# Allegro board H616_REF_DDR4_16X4_V2_0_20200729.brd (continued)
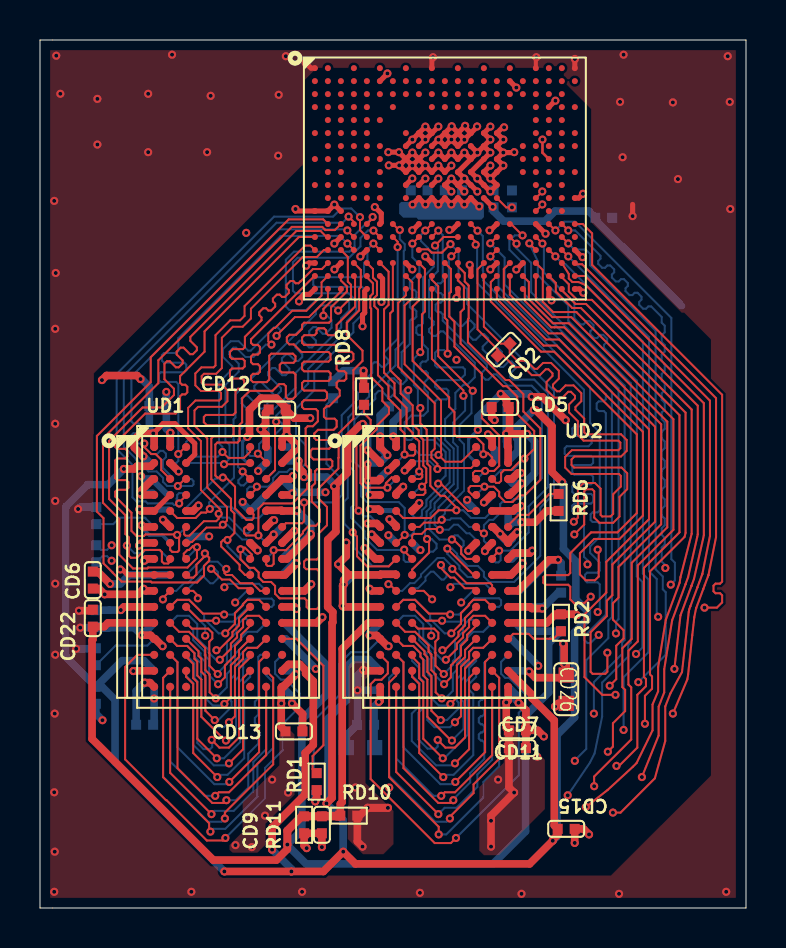
[diagram p0: board, top side]
## Routing (per net, layer and track width the routed paths; a pad name or vN(x,y) marks a point on that pad's centre or on a via; arc(x,y) is an arc through that point) (continued)
VCC-DRAM: length 584.5
  TOP w0.254: v1(21.96,35.1) 21.55,35.52 U1.L13 v1(21.22,35.2) U1.L12 v1(20.57,35.2) U1.L11 v1(19.92,35.2) U1.L10 v1(19.27,35.2) U1.L9 18.95,35.51 v1(18.63,35.2) ; UD1.B3 7.74,22.7 7.74,23.25 6.75,24.24 6.15,24.24 v1(5.66,23.75) ; UD1.J2 UD1.J1 5.7,16.68 4.38,16.68 4.11,16.94 v1(4.01,16.94)
  TOP w0.305: v1(16.41,21.39) 16.38,21.41 v1(16.38,22.2) ; UD2.A1 17.37,22.71 v1(17.37,22.66)
  TOP w0.381: v1(16.13,3.07) 15.87,3.33 RD10.2 15.99,4.62 v1(16.39,5.02) ; UD2.J2 17.78,16.7 17.04,16.7 UD2.J1 15.44,16.67 ; UD1.L1 4.2,15.07 v1(4.04,14.91) ; UD1.G1 5.08,18.27 v1(4.95,18.14) ; CD6.1 2.89,16.83 v1(3.51,16.22) ; CD13.1 12.06,9.05 v1(12.06,10.24) 12.06,11.03 UD1.T9 ; v1(16.49,20.67) UD2.D1 ; UD1.J8 UD1.J9 12.25,16.67 v1(12.83,17.25) ; UD2.J8 UD2.J9 23.55,16.67 v1(24.13,17.25) ; v1(12.62,20.75) 12.54,20.67 UD1.D9 ; CD12.1 12.29,25.04 11.82,25.51 11.06,25.51 10.48,24.93 10.48,23.69 v1(10.36,23.57) ; CD12.1 12.72,24.51 v1(13.51,24.51) ; CD12.1 12.29,24.59 12.33,24.55 v1(12.33,23.67) ; 23.41,18.32 v1(23.01,18.72) 22.66,19.07 UD2.F8 ; 23.41,18.32 23.41,18.35 v1(23.87,18.81) ; 23.41,18.32 UD2.G9 ; UD2.L1 15.18,15.07 v1(15.14,15.11) 15.14,16.14 v1(15.18,16.19) 15.18,16.41 15.44,16.67 ; 23.32,23.72 v1(23.32,23.73) 23.48,23.9 23.48,25.02 CD5.1 23.33,25.18 23.33,25.44 v1(23.04,25.73) ; 23.32,23.72 v1(24.36,23.72) ; 23.32,23.72 23.39,23.65 23.39,23.09 UD2.A9 UD2.B9 ; UD2.R1 16.2,11.87 v1(16.15,11.91) ; 15.44,16.67 v1(14.91,17.2) 15.32,17.61 v1(15.32,18.29) ; v1(24.59,25.58) 24.86,25.58 25.12,25.58 v1(26.29,24.41) ; UD1.B9 12.75,22.91 v1(12.75,23.11) 12.75,23.25 v1(12.33,23.67) ; UD2.L9 24.51,15.07 24.6,14.99 v1(25.12,14.99) ; UD1.G9 12.72,18.88 v1(12.73,18.88) ; UD2.F2 17.81,19.12 v1(17.48,19.46) ; v1(24.46,11.84) 24.77,11.52 26.18,11.52 CD26.1 26.31,12.12 v1(26.21,12.22) 26.21,13.18 v1(26.16,13.23) ; v1(11.71,19.41) 11.65,19.41 UD1.F8 ; v1(22.56,3.07) v1(22.56,4.37) 22.56,4.62 v1(23.71,5.78) 23.45,6.04 CD7.1 CD11.1 23.32,9.02 v1(23.32,10.29) 23.41,10.38 UD2.T9 ; UD2.D9 23.5,20.67 v1(24.07,21.25) ; UD2.B3 v1(18.24,21.89) ; v1(12.33,23.67) 12.11,23.45 UD1.A9 ; UD1.C1 5.64,21.47 5,20.83 v1(5,20.75) 5.09,20.67 UD1.D1 ; v1(3.1,26.42) 3.33,26.64 4.85,26.64 v1(5.03,26.47) ; UD1.R1 4.68,11.87 v1(4.67,11.86) ; UD2.G1 17.01,18.27 v1(16.59,18.69) ; v1(12.83,14.96) 12.72,15.07 UD1.L9 ; UD1.A1 5.71,23.7 v1(5.66,23.75) 5.02,23.75 4.72,23.45 4.72,23.04 5.15,22.6 v1(5.18,22.6) ; v1(16.41,21.39) 16.93,21.39 UD2.C1 ; UD1.F2 v1(6.15,19.43)
  TOP w0.4: UD2.A1 v1(17.01,23.6) ; v1(10.88,17.89) UD1.G7 ; UD2.G7 v1(21.42,17.88)
  TOP w0.406: v1(17.4,5.01) 16.45,5.01 ; v1(12.79,11.7) 12.16,11.07 UD1.T9
  GND02 w0.381: v1(23.32,10.29) 23.32,10.69 v1(24.46,11.84) ; v1(12.79,11.7) 12.7,11.61 12.7,11.13 12.06,10.49 v1(12.06,10.24) ; v1(23.87,18.81) 23.87,17.51 v1(24.13,17.25) 24.13,15.98 v1(25.12,14.99)
  POWER03 w0.102: 31.37,14.83 31.95,15.42 31.95,16.38 31.75,16.59 31.32,16.59 30.68,15.95 27.97,15.95 27.79,16.14 26.87,16.14 26.66,15.93 24.88,15.93 24.08,15.13 23.24,15.13 23.04,14.93 20.91,14.93 20.81,15.04 20.36,15.04 20.26,14.94 20.02,14.94 20.02,14.94 19.88,14.94 19.75,14.81 19.43,14.81 19.33,14.91 17.21,14.91 17.01,14.71 15.54,14.71 v1(15.14,15.11) 13.28,15.11 13.18,15.01 12.88,15.01 v1(12.83,14.96) 12.8,14.93 9.61,14.93 9.5,15.04 6.73,15.04 ; 8.64,10.85 8.64,10.96 8.53,11.07 8.53,11.86 ; 8.64,10.85 8.33,10.53 8.33,10.24 8.71,9.86 10.12,9.86 11.06,10.8 12.83,10.8 13.19,10.44 14.95,10.44 15.36,10.03 15.48,10.03 15.76,9.75 17.35,9.75 17.45,9.86 21.42,9.86 22.51,10.95 25.57,10.95 25.78,11.15 25.95,11.15 28.01,11.15 28.34,11.48 28.91,11.48 29.29,11.1 29.29,10.67 28.9,10.29 27.15,10.29 26.74,9.88 26.06,9.88 25.9,9.73 24.6,9.73 24.58,9.71 22.28,9.71 21.51,8.94 20.37,8.94 20.27,8.85 15.66,8.85 15.18,9.32 15.06,9.32 14.73,9.65 10.92,9.65 10.21,8.94 8.61,8.94 8.23,8.56 8.23,8.14 8.51,7.85 ; 8.64,10.85 10.07,10.85 11.01,11.79 12.57,11.79 12.7,11.66 12.75,11.66 v1(12.79,11.7) 12.83,11.66 13.03,11.66 13.46,11.23 15.29,11.23 15.62,10.9 v1(15.88,10.9) 18.54,10.9 18.59,10.85 21.37,10.85 22.31,11.79 24.41,11.79 v1(24.46,11.84) 24.54,11.76 25.3,11.76 25.76,12.22 v1(26.21,12.22) 31.44,12.22 31.57,12.34 ; 8.59,6.91 8.38,7.11 8.38,7.72 8.51,7.85 ; 8.59,6.91 8.59,6.78 8.51,6.7 8.51,6.08 8.62,5.97 ; 8.59,6.91 9.01,6.91 9.04,6.88 9.6,6.88 9.7,6.99 10.32,6.99 10.84,7.51 14.64,7.51 15.24,6.91 20.31,6.91 20.34,6.88 21.52,6.88 22.14,7.51 24.8,7.51 v1(24.87,7.57) 24.96,7.57 25.11,7.72 26.3,7.72 26.74,8.16 26.99,8.16 27.1,8.28 28.88,8.28 29.69,7.47 ; 30.05,18.34 28.88,19.51 27.06,19.51 26.85,19.71 26.54,19.71 26.39,19.56 25.11,19.56 24.19,18.64 24.03,18.64 v1(23.87,18.81) 23.87,18.28 23.08,17.5 21.62,17.5 21.42,17.7 ; 30.05,18.34 26.44,18.34 26.39,18.39 25.41,18.39 25.02,18 25.02,17.66 24.77,17.41 24.29,17.41 v1(24.13,17.25) 23.5,16.61 20.29,16.61 20.09,16.41 19.65,16.41 19.64,16.42 19.63,16.42 19.48,16.56 16.06,16.56 15.42,17.2 v1(14.91,17.2) 14.87,17.25 v1(12.83,17.25) 12.17,16.59 10.7,16.59 10.68,16.61 8.99,16.61 8.79,16.41 8.32,16.41 8.32,16.41 6.42,16.41 ; 30.05,18.34 30.71,17.68 ; 8.53,5.16 8.67,5.16 8.79,5.04 10.45,5.04 10.9,5.49 12.12,5.49 v1(12.41,5.78) 14.29,5.78 15.05,5.02 v1(16.39,5.02) 17.39,5.02 v1(17.4,5.01) 19.72,5.01 19.77,5.05 20.07,5.05 20.09,5.04 21.75,5.04 22.2,5.49 23.42,5.49 v1(23.71,5.78) 23.86,5.93 25.64,5.93 25.98,6.27 27.36,6.27 27.64,6.55 28.3,6.55 28.5,6.35 ; 8.53,5.16 8.2,4.83 8.2,4.24 ; 8.53,5.16 8.33,5.35 8.33,5.68 8.62,5.97 ; 28.58,5.53 28.5,5.61 28.5,6.35 ; 28.58,5.53 29.01,5.11 29.01,4.47 28.78,4.24 24.94,4.24 23.5,2.79 22.83,2.79 v1(22.56,3.07) ; 28.58,5.53 27.23,5.53 26.92,5.22 24.61,5.22 23.92,4.53 23.69,4.47 22.66,4.47 v1(22.56,4.37) 22.31,4.12 12.53,4.12 12.52,4.11 12.22,4.11 12.21,4.12 11.75,4.12 v1(11.25,4.62) 10.73,4.1 9.02,4.1 8.88,4.24 8.2,4.24 ; 10.88,17.69 10.88,17.67 10.74,17.53 9.7,17.53 9.58,17.65 8.99,17.65 8.94,17.7 8.57,17.33 8.41,17.33 8.22,17.14 6.72,17.14 6.57,17.29 5.8,17.29 v1(4.95,18.14) 4.58,18.51 3.44,18.51 3,18.07 3,17.25 3.35,16.89 3.96,16.89 v1(4.01,16.94) 4.46,16.49 5.57,16.49 5.64,16.56 6.27,16.56 6.42,16.41 ; 10.88,17.69 11.02,17.55 11.83,17.55 12.4,18.12 15.57,18.12 16.1,17.58 18.69,17.58 v1(19.02,17.91) 19.02,17.65 19.23,17.45 19.74,17.45 19.89,17.6 21.32,17.6 21.42,17.7 ; 10.88,17.69 v1(10.88,17.89) ; 30.68,13.23 29.66,14.25 27.73,14.25 27.58,14.1 25.61,14.1 25.2,13.69 23.91,13.69 23.48,13.26 20.88,13.26 20.8,13.18 20.34,13.18 20.27,13.26 18.09,13.26 17.58,12.74 17.28,12.74 17.25,12.78 16.13,12.78 15.62,13.28 13.67,13.28 13.57,13.39 9.7,13.39 9.5,13.18 9.04,13.18 8.96,13.26 8.67,13.26 ; 30.68,13.23 28.09,13.23 27.96,13.11 26.29,13.11 v1(26.16,13.23) 25.75,13.23 25.49,12.98 24.2,12.98 23.75,12.52 21.16,12.52 20.71,12.06 18.08,12.06 17.92,11.91 v1(16.15,11.91) 15.91,11.91 15.3,12.52 13.43,12.52 13.28,12.67 12.54,12.67 12.39,12.52 9.86,12.52 9.4,12.06 8.74,12.06 8.53,11.86 ; 30.68,13.23 31.57,12.34 ; 30.68,13.23 31.34,13.9 31.34,14.76 30.89,15.21 27.08,15.21 26.14,15.21 25.73,14.81 25.3,14.81 v1(25.12,14.99) 25.12,14.94 24.84,14.66 24.84,14.52 24.74,14.42 23.63,14.42 23.31,14.1 20.42,14.1 20.34,14.02 19.96,14.02 19.8,14.19 17.5,14.19 17.41,14.1 14.53,14.1 14.43,14 13.89,14 13.79,14.1 9.03,14.1 8.95,14.02 7.75,14.02 ; 8.67,13.26 8.47,13.05 8.47,12.75 8.53,12.68 8.53,11.86 ; 8.67,13.26 7.62,13.26 7.49,13.38 7.49,13.76 7.75,14.02 ; 8.2,4.24 8.07,4.1 8.07,3.31 8.23,3.15 v1(9.77,3.15) ; 6.73,15.04 6.68,15.09 6.29,15.09 ; 6.73,15.04 7.75,14.02 ; 31.57,12.34 31.93,12.34 32.05,12.22 32.05,12.17 32.11,12.12 33.68,13.7 33.68,15.32 32.82,16.18 32.82,17.25 32.38,17.68 30.71,17.68 ; 6.29,15.09 5.84,15.09 5.61,15.32 5.61,15.61 6.42,16.41 ; 6.29,15.09 7.06,15.85 8.04,15.85 8.2,15.7 9.38,15.7 9.53,15.85 14.65,15.85 15.02,16.22 15.15,16.22 v1(15.18,16.19) 15.31,16.06 15.61,16.06 15.95,15.72 15.95,15.72 16.25,15.42 16.72,15.42 16.92,15.62 18.82,15.62 19,15.81 19.39,15.81 19.39,15.8 19.76,15.8 19.87,15.7 20.68,15.7 20.83,15.85 23.9,15.85 23.9,15.85 23.91,15.85 24.7,16.64 26.3,16.64 26.52,16.87 27.21,16.87 27.23,16.84 27.53,16.84 27.68,16.99 30.02,16.99 30.71,17.68 ; 8.51,7.85 10.15,7.85 11.23,8.94 14.24,8.94 15.33,7.85 21.45,7.85 22.54,8.94 24.82,8.94 24.9,9.02 25.89,9.02 25.94,8.97 26.49,8.97 26.7,9.17 28.65,9.17 29.08,9.6 29.79,9.6 29.82,9.58 30.07,9.58 30.09,9.6 30.63,9.6 ; 8.62,5.97 8.91,5.97 8.93,5.95 10.19,5.95 10.58,6.35 10.72,6.35 ; 29.69,7.47 27.36,7.47 26.9,7.01 25.62,7.01 25.3,6.69 23.18,6.69 v1(22.91,6.43) 22.35,6.43 22.19,6.27 21.84,6.27 21.52,5.95 20.42,5.95 20.41,5.97 19.96,5.97 19.9,6.03 v1(17.46,6.03) 17.46,6.03 v1(15.77,6.03) 15.11,6.03 14.5,6.64 13.23,6.64 13.18,6.69 11.87,6.69 v1(11.61,6.43) 11.04,6.43 10.89,6.27 ; 29.69,7.47 30.58,6.57 30.58,6.27 30.45,6.15 29.26,6.15 29.06,6.35 28.5,6.35 ; v1(21.42,17.88) 21.42,17.7
  POWER03 w0.305: v1(16.41,21.39) 16.41,20.75 v1(16.49,20.67) ; v1(8.46,18.59) 8.46,18.19 8.94,17.7
  POWER03 w0.381: 16.81,18.21 16.81,18.47 v1(16.59,18.69) 16.64,18.75 16.76,18.75 v1(17.48,19.46) 17.01,19.92 17.01,20.17 16.52,20.67 v1(16.49,20.67) ; v1(12.73,18.88) 12.73,19.04 12.36,19.41 v1(11.71,19.41) ; v1(21.89,23.93) 21.89,24.59 v1(23.04,25.73) ; v1(17.37,22.66) 18.14,21.89 v1(18.24,21.89) ; 3.2,20.4 4.5,20.4 4.85,20.75 v1(5,20.75)
  BOTTOM w0.152: v1(21.89,23.93) 21.43,23.46 21.43,22.65 UD4.B3 ; UD3.B3 10.37,22.27 10.13,22.51 10.13,23.34 v1(10.36,23.57)
  BOTTOM w0.305: v1(16.38,22.2) 16.38,21.41 v1(16.41,21.39) 16.41,20.75 v1(16.49,20.67) ; v1(12.33,23.67) 12.11,23.45 UD1.A9
  BOTTOM w0.381: v1(15.88,10.9) 15.88,9.19 CD10.1 15.32,8.63 CD25.1 ; v1(15.88,10.9) 15.88,11.63 v1(16.15,11.91) ; v1(15.88,10.9) 16.83,10.9 17,11.07 UD4.T9 ; v1(8.46,18.59) 7.63,18.59 UD3.G7 ; v1(24.07,21.25) 24.23,21.25 24.73,21.74 24.73,23.36 v1(24.36,23.72) ; v1(24.07,21.25) 23.64,20.82 23.57,20.82 23.42,20.67 UD2.D9 ; v1(24.07,21.25) 23.63,21.25 UD4.C1 ; v1(26.16,13.23) 26.16,12.27 v1(26.21,12.22) ; v1(23.87,18.81) 23.82,18.76 23.81,18.76 23.61,18.56 23.61,18.47 UD2.G9 23.01,18.67 v1(23.01,18.72) 22.66,19.07 UD2.F8 ; UD3.C1 12.11,21.46 12.62,20.94 v1(12.62,20.75) ; v1(16.38,22.2) 16.45,22.27 UD4.B9 17.01,22.29 v1(17.37,22.66) 17.01,23.02 UD2.A1 v1(17.01,23.6) 17.01,24.65 CD3.1 ; v1(16.59,18.69) 17.01,18.27 UD2.G1 ; UD4.G7 18.97,17.91 v1(19.02,17.91) ; v1(12.75,23.11) 12.71,23.07 UD1.A9 ; UD1.F2 v1(6.15,19.43) ; UD2.L9 25.04,15.07 v1(25.12,14.99) 25.91,15.78 CD24.1 ; v1(24.46,11.84) 24.43,11.87 UD4.R1 ; UD1.J2 UD1.J1 4.47,16.67 4.02,16.22 v1(3.51,16.22) ; v1(12.73,18.88) 12.12,18.27 UD1.G9 ; UD1.J8 UD1.J9 12.69,17.25 v1(12.83,17.25) ; v1(21.89,23.93) 21.89,24.56 23.04,25.7 v1(23.04,25.73) ; UD1.D1 5.63,20.75 v1(5,20.75) ; v1(24.59,25.58) 24.44,25.73 v1(23.04,25.73) ; UD2.A9 23.34,23.14 23.34,23.32 23.33,23.34 23.33,23.72 v1(23.32,23.73) 23.32,25.45 v1(23.04,25.73) ; UD3.T9 v1(5.71,10.48) 5.71,9.31 5.66,9.25 CD8.1 ; CD4.1 3.46,14.9 3.47,14.91 v1(4.04,14.91) 4.2,15.07 UD1.L1 ; UD2.L1 15.18,15.07 v1(15.14,15.11) 15.14,16.14 v1(15.18,16.19) 15.67,16.67 UD2.J1 17.04,16.7 17.78,16.7 UD2.J2 ; v1(24.13,17.25) 23.55,16.67 UD2.J9 UD2.J8 ; UD1.F8 11.65,19.41 v1(11.71,19.41) ; UD2.F2 17.81,19.12 v1(17.48,19.46) ; v1(4.95,18.14) 5.09,18.28 5.7,18.28 UD1.G1 ; v1(5.18,22.6) 5.51,22.27 UD3.B9 ; v1(5.03,26.47) 5.09,26.47 5.47,26.09 CD1.1 5.47,23.95 v1(5.66,23.75) 5.71,23.7 UD1.A1 ; v1(12.83,14.96) 12.72,15.07 UD1.L9 ; v1(14.27,20.8) 12.67,20.8 v1(12.62,20.75) ; v1(12.79,11.7) 12.62,11.87 UD3.R1 ; v1(12.62,20.75) 12.54,20.67 UD1.D9 ; UD2.D1 v1(16.49,20.67)
  vias: v1(10.59,3.05)
VDD18-DRAM: length 12.7
  TOP w0.254: U1.L14 v1(22.64,35.08)
  BOTTOM w0.381: 32.08,30.13 27.77,34.44 CD20.1 27.44,34.87 25.76,34.87 25.25,34.37 23.18,34.37 22.68,34.87 CD21.1
VDD-CPU: length 8.5
  TOP w0.254: v1(18.62,37.15) U1.J8 v1(17.96,37.16) ; v1(18.62,37.15) U1.H9 ; v1(18.62,37.15) U1.H8 ; v1(18.62,37.15) U1.J9 v1(19.27,37.15) ; v1(20.57,37.15) U1.J11 v1(19.92,37.15) U1.J10 v1(19.27,37.15) ; v1(19.27,37.15) U1.H9 ; U1.H9 v1(19.27,37.8) ; U1.H9 v1(18.62,37.8) U1.H8 ; v1(17.42,37.82) v1(17.95,37.82) U1.H8 ; U1.H8 17.98,37.16 v1(17.96,37.16) ; v1(17.96,37.16) v1(17.44,37.16)
VDD-GPU: length 3.7
  TOP w0.254: U1.F10 v1(19.27,39.1) U1.F9 ; U1.F10 v1(19.27,38.45) ; U1.F10 v1(19.92,39.1) ; U1.F9 v1(18.62,38.45) U1.G8 ; U1.F9 v1(19.27,38.45) ; v1(19.27,38.45) U1.G9
VDD-SYS: length 7
  TOP w0.254: 21.22,38.45 v1(21.22,38.44) 21.21,38.44 U1.G12 20.57,38.45 v1(20.57,38.45) ; 21.22,38.45 U1.F12 ; 21.22,38.45 U1.F13 ; U1.F11 v1(20.59,39.12) 20.9,38.81 U1.F12 ; U1.F11 20.25,38.77 v1(19.92,38.45) ; U1.F11 20.25,38.78 v1(20.57,38.45) ; v1(20.57,38.45) U1.F12 ; v1(20.57,38.45) U1.G11 20.24,38.13 v1(19.92,38.45) ; U1.F12 v1(21.26,39.14) 21.26,39.06 U1.F13 ; U1.G10 19.9,38.43 19.91,38.43 v1(19.92,38.45) ; U1.F13 21.86,39.09 v1(21.86,39.11)
Net_118: length 0.5
  TOP w0.102: 24.8,34.88 25.11,35.19 25.11,35.2 v1(25.12,35.2)
Net_155: length 0.5
  TOP w0.102: v1(25.12,35.85) 25.11,35.85 25.11,35.84 24.8,35.53
SA0: length 72.9
  TOP w0.102: UD1.P3 7.31,12.57 7.66,12.22 7.66,11.5 7.86,11.3 7.86,8.47 v1(8.84,7.49) ; U1.U19 25.79,31.28 25.79,30.85 26.62,30.02 27.05,30.02 32.28,24.79 32.28,18.77 32.23,18.57 30.51,16.84 30.51,11.69 30.61,11.59 30.61,10.97 30.25,10.62 v1(30.25,9.22) ; v1(20.14,7.49) 19.17,8.47 19.17,11.3 18.96,11.5 18.96,12.22 18.61,12.57 UD2.P3
  POWER03 w0.102: v1(8.84,7.49) 8.94,7.59 10.18,7.59 10.75,8.17 14.7,8.17 15.37,7.49 v1(20.14,7.49) 20.24,7.59 21.48,7.59 22.11,8.23 26.04,8.23 26.65,8.84 28.61,8.84 29.04,9.27 30.2,9.27 v1(30.25,9.22)
  BOTTOM w0.102: UD4.P3 21.81,12.37 21.46,12.01 21.46,11.5 21.25,11.3 21.25,10.53 21.39,10.4 21.39,8.67 20.21,7.49 v1(20.14,7.49) ; v1(8.84,7.49) 9.2,7.49 10.01,8.3 10.01,10.48 9.95,10.53 9.95,11.3 10.16,11.5 10.16,12.01 10.16,12.02 10.16,12.32 UD3.P3
SA1: length 71.6
  TOP w0.102: v1(8.59,8.41) 8.97,8.03 9.44,8.03 9.95,8.53 9.95,11.98 10.51,12.54 UD1.P7 ; v1(19.89,8.41) 20.27,8.03 20.75,8.03 21.25,8.53 21.25,11.98 21.81,12.54 UD2.P7 ; U1.P16 v1(23.83,33.24)
  POWER03 w0.102: v1(8.59,8.41) 8.82,8.41 9.15,8.74 10.3,8.74 11.01,9.45 14.65,9.45 15.69,8.41 v1(19.89,8.41) 20.13,8.41 20.45,8.74 21.6,8.74 22.36,9.5 24.67,9.5 24.69,9.53 26.27,9.53 26.39,9.65 27.62,9.65 v1(27.7,9.73)
  BOTTOM w0.102: v1(23.83,33.24) 23.83,33.01 24.56,32.28 24.56,30.81 29.24,26.14 29.24,13.41 29.11,13.28 29.11,12.71 27.7,11.3 v1(27.7,9.73) ; UD4.P7 18.61,12.37 18.96,12.01 18.96,11.55 19.17,11.34 19.17,10.02 18.92,9.77 18.92,8.43 19.38,7.98 19.79,7.98 19.89,8.08 v1(19.89,8.41) ; UD3.P7 7.72,12.26 7.72,11.49 7.87,11.34 7.87,8.26 8.18,7.95 8.51,7.95 8.61,8.05 8.61,8.39 v1(8.59,8.41)
SA2: length 73.8
  TOP w0.102: v1(28.4,7.82) 28.65,8.08 28.65,9.25 29.26,9.86 29.26,10.92 29.12,11.06 29.12,13 29.59,13.47 29.59,17.27 31.37,19.05 31.37,24.33 26.44,29.26 25.65,29.26 24.45,30.46 24.45,31.32 U1.U17 ; v1(8.87,6.55) 7.66,7.76 7.66,11.21 7.31,11.57 UD1.R3 ; v1(20.17,6.55) 18.96,7.76 18.96,11.21 18.61,11.57 UD2.R3
  POWER03 w0.102: v1(28.4,7.82) 26.69,7.82 26.38,7.52 25.41,7.52 25.09,7.2 22.13,7.2 21.61,6.68 20.29,6.68 v1(20.17,6.55) 19.07,6.55 18.91,6.71 15.15,6.71 14.71,7.15 10.77,7.15 10.3,6.68 8.99,6.68 v1(8.87,6.55)
  BOTTOM w0.102: v1(8.87,6.55) 8.98,6.67 9.38,6.67 10.21,7.5 10.21,10.87 10.16,10.92 10.16,11.21 10.51,11.57 UD3.R3 ; UD4.R3 21.81,11.57 21.46,11.21 21.46,10.92 21.67,10.71 21.67,7.65 20.68,6.67 20.28,6.67 v1(20.17,6.55)
SA3: length 64.2
  TOP w0.102: v1(20.52,10.21) 20.85,10.54 20.85,12.15 21.25,12.56 21.25,12.91 UD2.N7 ; U1.P20 v1(26.42,33.25) ; UD1.N7 9.95,12.91 9.95,12.56 9.55,12.15 9.55,10.54 v1(9.22,10.21)
  POWER03 w0.102: v1(9.22,10.21) 10.19,10.21 10.98,11 12.92,11 13.27,10.64 15.15,10.64 15.84,9.96 17.27,9.96 17.44,10.13 20.45,10.13 v1(20.52,10.21) 21.49,10.21 22.43,11.15 25.49,11.15 25.85,11.51 28.08,11.51 28.26,11.68 29.54,11.68 v1(29.92,11.3)
  BOTTOM w0.102: v1(26.42,33.25) 26.72,32.95 27.29,32.95 27.51,32.72 27.51,32.16 30.79,28.89 30.79,16.95 31.14,16.59 31.14,15.95 31.29,15.8 31.29,12.67 v1(29.92,11.3) ; UD4.N7 19.33,12.75 19.33,12.56 19.43,12.46 19.43,11.66 19.58,11.51 19.58,10.5 19.94,10.13 20.45,10.13 v1(20.52,10.21) ; UD3.N7 8.03,12.75 8.03,12.56 8.25,12.33 8.25,11.53 8.27,11.51 8.27,10.5 8.64,10.13 9.15,10.13 v1(9.22,10.21)
SA4: length 65.3
  TOP w0.102: UD1.N3 7.93,12.85 7.93,12.61 8.07,12.47 8.07,11.82 8.27,11.62 8.27,9.87 v1(8.74,9.4) ; U1.V17 24.25,30.88 24.25,30.37 25.56,29.06 25.73,29.06 26.21,29.06 31.06,24.21 31.06,19.2 28.93,17.07 28.93,15.53 28.65,15.25 28.65,14.43 29.18,13.9 29.18,13.49 28.82,13.12 28.82,11.45 v1(28.49,11.13) ; v1(20.04,9.4) 19.57,9.87 19.57,11.62 19.37,11.82 19.37,12.56 19.23,12.7 19.23,12.85 UD2.N3
  POWER03 w0.102: v1(8.74,9.4) 8.99,9.65 10.2,9.65 11.14,10.59 12.75,10.59 13.11,10.24 14.87,10.24 15.7,9.4 v1(20.04,9.4) 20.29,9.65 21.51,9.65 22.6,10.74 25.66,10.74 25.86,10.95 28.31,10.95 v1(28.49,11.13)
  BOTTOM w0.102: v1(20.04,9.4) 20.35,9.4 20.93,9.98 20.93,10.28 20.85,10.36 20.85,11.47 21.05,11.67 21.05,12.18 21.25,12.39 21.25,12.91 UD4.N3 ; UD3.N3 9.76,12.72 9.76,12.19 9.75,12.18 9.75,11.67 9.55,11.47 9.55,10.36 9.58,10.33 9.58,10.06 8.92,9.4 v1(8.74,9.4)
SA5: length 78.5
  TOP w0.102: UD1.P8 10.96,12.32 10.96,7.8 v1(9.47,6.31) ; v1(20.77,6.31) 22.26,7.8 22.26,12.32 UD2.P8 ; v1(22.52,33.26) 22.83,33.58 U1.P15
  POWER03 w0.102: v1(9.47,6.31) 10.26,6.31 10.84,6.9 14.53,6.9 15.03,6.4 18.79,6.4 18.92,6.27 19.94,6.27 20.02,6.2 20.66,6.2 v1(20.77,6.31) 21.56,6.31 22.14,6.9 25.22,6.9 25.54,7.21 26.59,7.21 v1(26.75,7.37)
  BOTTOM w0.102: UD4.P8 18.18,12.3 18.18,8.04 20.02,6.2 20.66,6.2 v1(20.77,6.31) ; v1(9.47,6.31) 9.36,6.2 8.72,6.2 6.88,8.04 6.88,12.3 UD3.P8 ; v1(26.75,7.37) 26.75,7.39 27.32,7.96 27.32,12.4 28.42,13.51 28.42,14.38 28.6,14.55 28.6,25.83 23.23,31.2 23.23,32.54 v1(22.52,33.26)
SA6: length 86.9
  TOP w0.102: v1(9.32,5.4) 9.18,5.26 8.62,5.26 6.88,7 6.88,12.3 UD1.P2 ; v1(20.67,5.4) 20.53,5.26 19.92,5.26 18.18,7 18.18,12.3 UD2.P2 ; U1.U20 26.1,31.56 26.44,31.21 26.44,30.85 26.87,30.43 27.6,30.43 32.89,25.13 32.89,18.7 32.87,18.56 32.41,16.55 32.28,16.21 32.28,16.2 31.61,14.39 31.22,11.95 31.22,10.79 30.94,10.08 30.94,8.64 v1(30.1,6.55)
  POWER03 w0.102: v1(30.1,6.55) 29.34,6.55 29.14,6.76 27.55,6.76 27.29,6.49 25.82,6.49 25.46,6.13 23.55,6.13 23.18,5.77 22.07,5.77 21.7,5.4 v1(20.67,5.4) 20.62,5.4 20.49,5.26 19.92,5.26 19.81,5.37 16.49,5.37 16.48,5.37 15.05,5.37 14.29,6.13 12.25,6.13 11.88,5.77 10.77,5.77 10.4,5.4 v1(9.32,5.4)
  BOTTOM w0.102: UD3.P2 11.02,12.67 10.91,12.57 10.91,10.49 10.74,10.32 10.74,10.09 10.91,9.92 10.91,9.68 10.74,9.51 10.74,9.28 10.91,9.11 10.91,8.22 10.42,7.72 10.42,6.02 9.79,5.4 v1(9.32,5.4) ; UD4.P2 22.22,12.27 22.22,10.51 22.11,10.41 22.05,10.41 21.95,10.31 21.95,10.11 22.05,10.01 22.11,10.01 22.22,9.9 22.22,9.7 22.11,9.6 22.05,9.6 21.95,9.5 21.95,9.3 22.05,9.19 22.11,9.19 22.22,9.09 22.22,8.89 22.11,8.79 22.05,8.79 21.95,8.69 21.95,8.48 22.05,8.38 22.11,8.38 22.22,8.28 22.22,7.46 21.51,6.76 21.51,6.28 20.67,5.44 v1(20.67,5.4)
SA7: length 85.3
  TOP w0.102: UD2.R8 22.96,11.52 22.96,10.44 22.96,10.43 22.96,7.47 21.68,6.19 21.68,5.75 20.5,4.57 v1(20.5,4.48) ; v1(9.25,4.48) 9.25,4.78 11.66,7.19 11.66,11.52 UD1.R8 ; v1(24.47,33.26) 24.8,32.93 U1.R18
  POWER03 w0.102: v1(26.39,5.64) 26.18,5.42 24.52,5.42 24.08,4.98 22.78,4.98 21.8,4.48 v1(20.5,4.48) 20.36,4.34 13.8,4.34 13.16,4.98 11.11,4.98 10.61,4.48 v1(9.25,4.48)
  BOTTOM w0.102: v1(9.25,4.48) 9.08,4.32 8.41,4.32 6.16,6.57 6.16,11.52 UD3.R8 ; v1(20.5,4.48) 20.33,4.32 19.76,4.32 17.46,6.62 17.46,11.52 UD4.R8 ; v1(24.47,33.26) 24.89,32.36 24.89,31.67 26.42,30.15 26.42,29.39 29.54,26.26 29.54,13.28 29.41,13.16 29.41,12.59 28.11,11.28 28.11,9.58 27.73,7.74 27.5,7.28 v1(26.39,5.64)
SA8: length 88
  TOP w0.102: v1(8.52,3.82) 8.46,3.89 8.46,4.24 6.16,6.55 6.16,11.52 UD1.R2 ; UD2.R2 17.81,11.63 17.46,11.28 17.46,6.55 19.94,4.07 v1(19.94,3.68) ; U1.V20 26.1,30.91 26.78,30.23 27.3,30.23 32.59,24.94 32.59,18.73 32.03,16.55 31.98,16.27 31.29,14.41 30.91,12.06 30.91,10.85 30.63,10.19 30.63,8.89 29.83,7.25 29.65,7.07 28.39,5.91 v1(27.3,5.05)
  POWER03 w0.102: v1(8.52,3.82) 8.56,3.86 19.76,3.86 v1(19.94,3.68) 20.12,3.86 22.2,3.86 24.16,4.39 24.79,5.02 27.26,5.02 v1(27.3,5.05)
  BOTTOM w0.102: v1(8.52,3.82) 8.66,3.96 9.27,3.96 10.87,5.57 10.87,7.22 11.66,8.01 11.66,11.3 11.31,11.65 UD3.R2 ; UD4.R2 22.96,11.52 22.96,10.44 22.96,10.43 22.96,7.09 22.17,6.31 22.17,5.54 20.31,3.68 v1(19.94,3.68)
SA9: length 70.5
  TOP w0.102: UD2.R7 21.46,11.52 21.46,7.95 v1(20.75,7.24) ; UD1.R7 10.16,11.52 10.16,7.95 v1(9.45,7.24) ; U1.R19 25.45,32.93 v1(25.77,32.6)
  POWER03 w0.102: v1(9.45,7.24) 10.25,7.24 10.87,7.86 14.57,7.86 15.3,7.14 20.65,7.14 v1(20.75,7.24) 21.55,7.24 22.24,7.93 26.21,7.93 26.82,8.53 28.81,8.53 v1(29.18,8.91)
  BOTTOM w0.102: v1(29.18,8.91) 29.18,11.55 30.43,12.8 30.43,16.44 30.15,16.72 30.15,17.98 30.15,28.34 26.27,32.22 26.16,32.22 v1(25.77,32.6) ; UD3.R7 7.31,11.62 7.66,11.26 7.66,8.17 8.69,7.14 9.35,7.14 v1(9.45,7.24) ; v1(20.75,7.24) 20.65,7.14 19.81,7.14 18.59,8.36 18.59,9.73 18.97,10.1 18.97,11.26 18.61,11.62 UD4.R7
SA10: length 62.1
  TOP w0.102: U1.U16 23.5,30.69 25.44,28.75 25.86,28.75 26.09,28.75 30.76,24.08 30.76,19.33 28.63,17.2 28.63,15.66 28.35,15.38 28.35,14.61 27.53,13.8 27.53,11.82 27.64,11.72 28.27,11.72 28.37,11.82 v1(28.37,12.78) ; UD1.M3 7.6,13.98 8.41,13.98 8.62,13.77 8.62,13.48 8.47,13.33 8.47,12.75 8.47,12.74 8.47,12.13 v1(8.89,11.71) ; UD2.M3 18.9,13.98 19.71,13.98 19.92,13.77 19.92,13.48 19.77,13.33 19.77,12.78 19.78,12.77 19.78,12.13 v1(20.19,11.71)
  POWER03 w0.102: v1(28.37,12.78) 28.27,12.88 25.68,12.88 25.58,12.78 24.29,12.78 23.83,12.32 21.95,12.32 21.34,11.71 v1(20.19,11.71) 20.07,11.71 19.91,11.56 15.62,11.56 15.37,11.81 14.58,11.81 14.07,12.32 13.34,12.32 13.22,12.45 12.63,12.45 12.5,12.32 10.64,12.32 10.03,11.71 v1(8.89,11.71)
  BOTTOM w0.102: v1(8.89,11.71) 8.89,11.76 9.34,12.21 9.34,12.35 9.35,12.36 9.35,13.32 9.83,13.8 9.83,14.12 10.17,14.46 10.31,14.46 UD3.M3 ; UD4.M3 21.66,14.42 21.46,14.42 21.16,14.12 21.16,13.83 20.75,13.42 20.75,12.46 20.65,12.35 20.65,12.16 v1(20.19,11.71)
SA11: length 81.2
  TOP w0.102: v1(19.92,4.7) 17.81,6.81 UD2.T2 ; UD1.T2 6.51,6.76 v1(8.57,4.7) ; U1.U18 24.8,30.4 25.63,29.57 26.57,29.57 31.67,24.46 31.67,18.92 29.9,17.15 29.9,13.34 29.43,12.87 29.43,11.18 29.57,11.04 29.57,8.43 27.71,6.58 v1(27.71,6.1)
  POWER03 w0.102: v1(8.57,4.7) 8.71,4.84 10.53,4.84 10.98,5.28 13.29,5.28 13.92,4.66 19.88,4.66 v1(19.92,4.7) 20.06,4.84 21.95,4.84 22.63,5.18 23.85,5.18 24.4,5.73 25.73,5.73 26.03,6.03 27.65,6.03 v1(27.71,6.1)
  BOTTOM w0.102: UD4.T2 22.61,7.42 21.87,6.68 21.87,6.06 20.83,5.01 20.24,5.01 v1(19.92,4.7) ; UD3.T2 11.31,7.95 10.67,7.31 10.67,5.84 9.69,4.86 8.74,4.86 v1(8.57,4.7)
SA12: length 61.8
  TOP w0.102: v1(25.13,33.25) 25.12,33.25 U1.P18 ; v1(20.21,11.2) 20.55,11.54 20.55,12.14 21.05,12.64 21.05,13.12 21.36,13.43 21.36,13.67 21.81,14.12 UD2.M7 ; UD1.M7 10.51,14.12 10.06,13.67 10.06,13.43 9.75,13.12 9.75,12.64 9.25,12.14 9.25,11.54 v1(8.91,11.2)
  POWER03 w0.102: v1(29.81,12.71) 28.99,12.71 28.7,12.42 28.22,12.42 28.07,12.57 24.56,12.57 24,12.01 22.07,12.01 21.26,11.2 v1(20.21,11.2) 20.09,11.2 20.04,11.25 15.64,11.25 15.28,11.61 13.58,11.61 13.05,12.14 12.67,12.14 12.55,12.01 10.77,12.01 9.96,11.2 v1(8.91,11.2)
  BOTTOM w0.102: UD4.M7 18.96,13.92 18.96,13.4 19.53,12.83 19.53,12.65 19.71,12.47 19.71,11.69 20.2,11.2 v1(20.21,11.2) ; v1(8.91,11.2) 8.9,11.2 8.46,11.64 8.46,12.42 8.23,12.65 8.23,12.83 7.66,13.4 7.66,13.92 UD3.M7 ; v1(29.81,12.71) 30.12,13.03 30.12,16.32 29.84,16.6 29.84,26.39 28.2,28.03 28.2,28.18 28.36,28.34 28.36,28.48 28.16,28.68 28.02,28.68 27.86,28.52 27.72,28.52 27.52,28.72 27.52,28.86 27.68,29.02 27.68,29.17 27.48,29.36 27.34,29.36 27.18,29.2 27.03,29.2 26.72,29.51 26.72,30.28 25.2,31.8 25.2,33.17 v1(25.13,33.25)
SA13: length 78.6
  TOP w0.102: v1(20.07,5.61) 20.24,5.79 20.75,5.79 22.61,7.65 UD2.T8 ; U1.T18 25.14,31.93 25.14,30.34 25.66,29.82 26.82,29.82 31.98,24.66 31.98,18.81 31.97,18.79 30.2,17.02 30.2,11.56 30.3,11.46 30.3,11.1 29.87,10.67 29.87,8.03 28.96,7.11 v1(28.83,7.11) ; UD1.T8 11.31,7.65 9.45,5.79 8.94,5.79 v1(8.76,5.61)
  POWER03 w0.102: v1(28.83,7.11) 27.62,7.11 27.3,6.8 25.69,6.8 25.34,6.44 23.43,6.44 23.06,6.07 21.92,6.07 21.6,5.75 20.2,5.75 v1(20.07,5.61) 20.01,5.67 17.32,5.67 17.31,5.68 15.17,5.68 14.41,6.44 12.12,6.44 11.76,6.07 10.62,6.07 10.3,5.75 8.9,5.75 v1(8.76,5.61)
  BOTTOM w0.102: UD4.T8 17.81,7.49 19.68,5.61 v1(20.07,5.61) ; UD3.T8 6.51,7.33 8.23,5.61 v1(8.76,5.61)
SACT: length 52.6
  TOP w0.102: UD1.L3 8,14.38 v1(8.8,14.38) ; U1.U15 22.54,31.32 22.54,30.35 25.06,27.84 25.71,27.84 29.84,23.7 29.84,19.76 28.88,18.8 27.56,18.8 26.52,17.75 26.52,16.76 26.42,16.66 25.27,16.66 25.17,16.56 25.17,16.28 25.27,16.18 26.42,16.18 26.52,16.07 26.52,15.44 26.71,15.25 27.21,15.25 v1(27.54,15.58) ; v1(20.11,14.38) 19.3,14.38 UD2.L3
  POWER03 w0.102: v1(27.54,15.58) 27.38,15.42 25.07,15.42 24.94,15.42 24.25,14.72 24.2,14.72 24.1,14.62 23.55,14.62 23.25,14.33 20.15,14.33 v1(20.11,14.38) 20.1,14.39 17.41,14.39 17.33,14.3 14.45,14.3 14.35,14.2 13.98,14.2 13.87,14.3 8.88,14.3 v1(8.8,14.38)
  BOTTOM w0.102: UD4.L3 21.07,14.33 20.15,14.33 v1(20.11,14.38) ; v1(8.8,14.38) 8.85,14.33 9.68,14.33 10.42,15.07 UD3.L3
SBA0: length 75.7
  TOP w0.102: v1(9.3,8.38) 9.26,8.38 8.07,9.57 8.07,11.43 7.86,11.64 7.86,12.33 7.72,12.47 7.72,12.75 7.36,13.11 6.86,13.11 UD1.N2 ; U1.T21 26.81,32.21 27.11,32.21 33.81,25.51 33.81,18.56 33.43,16.67 33.41,16.6 33.4,16.6 33.24,16.17 33.17,15.97 33.17,15.96 32.82,15.02 32.81,14.98 32.72,14.55 32.62,13.65 32.41,11.68 32.37,11.44 v1(31.65,9.73) ; v1(20.6,8.38) 20.56,8.38 19.37,9.57 19.37,11.43 19.17,11.64 19.17,12.43 19.02,12.57 19.02,12.75 18.66,13.11 18.17,13.11 UD2.N2
  POWER03 w0.102: v1(9.3,8.38) 10.37,8.38 11.13,9.14 14.52,9.14 15.61,8.06 20.27,8.06 v1(20.6,8.38) 21.67,8.38 22.49,9.2 24.79,9.2 24.81,9.22 26.39,9.22 26.55,9.37 28.24,9.37 28.7,9.83 31.55,9.83 v1(31.65,9.73)
  BOTTOM w0.102: UD4.N2 22.16,13.02 21.66,13.02 21.46,12.81 21.46,12.3 21.25,12.1 21.25,11.59 21.05,11.38 21.05,10.45 21.18,10.32 21.18,8.97 v1(20.6,8.38) ; UD3.N2 10.86,13.02 10.36,13.02 9.96,12.62 9.96,12.11 9.95,12.1 9.95,11.59 9.75,11.38 9.75,10.45 9.81,10.39 9.81,8.69 9.5,8.38 v1(9.3,8.38)
